# Altium PCB Board.PcbDoc (part 14 of 15)
Units mil, origin at the board's own origin, x right, y up, seen from the top; angles counter-clockwise.
Board outline 6379.64 x 4143.89 mil, 4 copper layers (Top Layer, GND, VCC, Bottom Layer); 316 components, 199 nets, 1077 pads, 596 vias.
Unrouted connection lines stored in the file: 268.
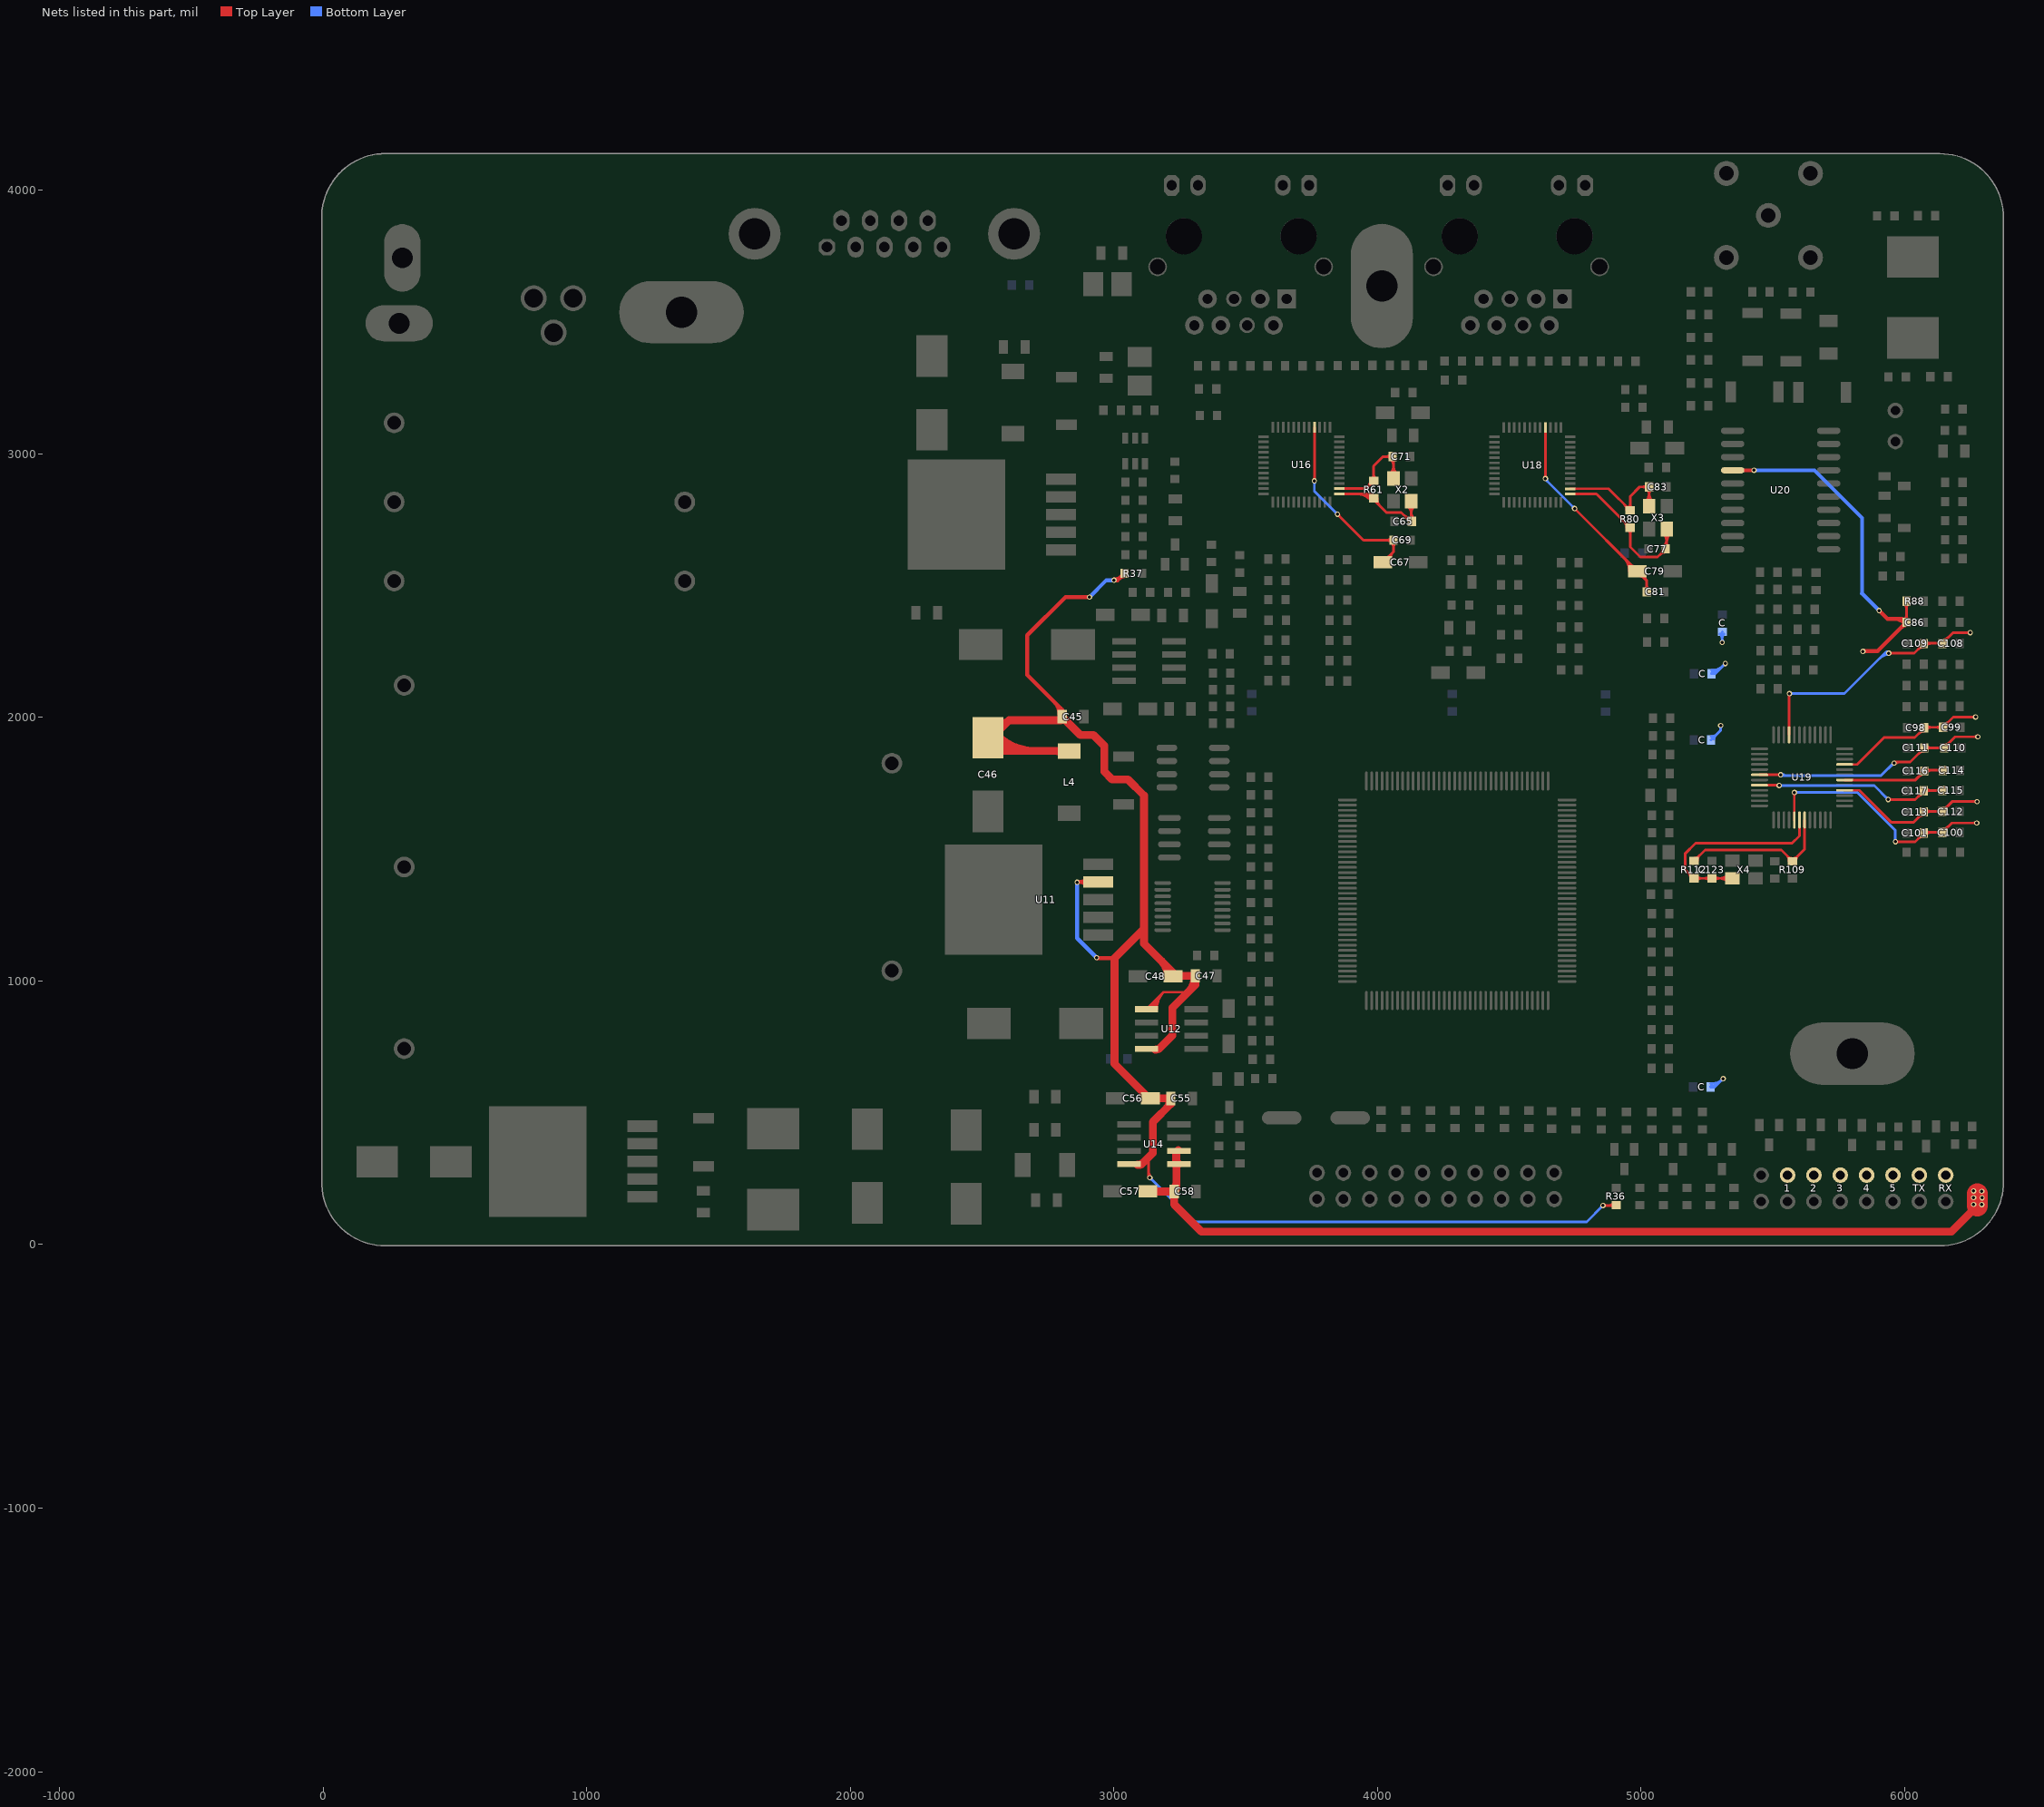
[diagram p15: the nets of this part, all layers, seen from the top]

## Via types
v1: diameter 20, hole 12, Top Layer to Bottom Layer, 590 vias
v2: diameter 30, hole 17, Top Layer to Bottom Layer, 6 vias

## Nets (pads, with @x,y where several pads share a name; then routed paths per layer and width w, separated by ;. In a path a pad name is that pad's centre, name@x,y a point inside that pad or via, vN(x,y) a via of type N, cw(c..) or ccw(c..) an arc to the next point about the centre after c; other vN are vias at no path point) (continued)
VDD5: C45.2 C46.2 C47.1 C48.2 C55.1 C56.2 L4.2 R36.2 R37.1 U11.4 U12.5 U12.8 U14.8 | length 10385.3
  Top Layer w10: U12.5@3123.62,892.45 3188.62,957.45 ; 3131.6,331.45 3131.6,258.45 v1(3136.6,253.45) ; 3274.1,950.95 3267.6,957.45 3188.62,957.45 ; v1(4855.6,148.45) 4904.6,148.45 R36.2@4905.6,149.45 ; U12.5@3122.93,891.46 cw(c3123.6,891.48) U12.5@3123.13,891.95 ; U12.5@3122.93,891.46 cw(c3123.6,891.48) U12.5@3123.13,891.95 ; U12.5@3122.93,891.46 cw(c3123.6,891.48) U12.5@3123.13,891.95 ; 3131.6,277.59 ccw(c3160.74,277.59) v1@3140.13,256.98 ; 3131.6,277.59 ccw(c3160.74,277.59) v1@3140.13,256.98 ; 3131.6,277.59 ccw(c3160.74,277.59) v1@3140.13,256.98 ; U12.5@3132.92,891.75 cw(c3155.4,892.43) 3139.5,908.33 ; U12.5@3132.92,891.75 cw(c3155.4,892.43) 3139.5,908.33 ; U12.5@3132.92,891.75 cw(c3155.4,892.43) 3139.5,908.33 ; U12.5@3142.92,892.05 cw(c3187.19,893.38) 3155.87,924.7 ; U12.5@3142.92,892.05 cw(c3187.19,893.38) 3155.87,924.7 ; U12.5@3142.92,892.05 cw(c3187.19,893.38) 3155.87,924.7 ; U12.5@3152.91,892.35 cw(c3218.99,894.33) 3172.25,941.07 ; U12.5@3152.91,892.35 cw(c3218.99,894.33) 3172.25,941.07 ; U12.5@3152.91,892.35 cw(c3218.99,894.33) 3172.25,941.07 ; U12.5@3162.91,892.65 cw(c3250.78,895.28) 3188.62,957.45 ; U12.5@3162.91,892.65 cw(c3250.78,895.28) 3188.62,957.45 ; U12.5@3162.91,892.65 cw(c3250.78,895.28) 3188.62,957.45 ; v1@4859.13,144.91 cw(c4867.67,136.38) 4867.67,148.45 ; v1@4859.13,144.91 cw(c4867.67,136.38) 4867.67,148.45 ; v1@4859.13,144.91 cw(c4867.67,136.38) 4867.67,148.45 ; v1@4859.13,151.98 ccw(c4867.67,160.52) 4867.67,148.45 ; v1@4859.13,151.98 ccw(c4867.67,160.52) 4867.67,148.45 ; v1@4859.13,151.98 ccw(c4867.67,160.52) 4867.67,148.45 ; 4875.27,148.45 ccw(c4875.27,177.81) R36.2@4896.03,157.05 ; 4875.27,148.45 ccw(c4875.27,177.81) R36.2@4896.03,157.05 ; 4875.27,148.45 ccw(c4875.27,177.81) R36.2@4896.03,157.05 ; 4880.1,148.45 cw(c4880.1,125.91) R36.2@4896.03,141.85 ; 4880.1,148.45 cw(c4880.1,125.91) R36.2@4896.03,141.85 ; 4880.1,148.45 cw(c4880.1,125.91) R36.2@4896.03,141.85
  Top Layer w15: C45.2@2803.92,2002.45 2803.92,2029.13 ; v1(2860.6,1374.45) 2861.39,1375.24 U11.4@2940.6,1375.24 ; v1@2909.6,2457.45 2908.6,2457.45 v1(2907.6,2456.45) 2816.6,2456.45 2671.6,2311.45 2671.6,2161.45 2803.92,2029.13 ; v1(2934.6,1088.45) 2936.6,1086.45 3002.6,1086.45 ; v1(3000.6,2520.45) 3014.6,2520.45 R37.1@3040.6,2546.45 ; 2803.92,2029.13 cw(c2791.73,2029.13) 2798.36,2018.89 ccw(c2791.73,2029.13) 2803.92,2029.13 ; 2803.92,2029.13 ccw(c2816.11,2029.13) 2809.48,2018.89 cw(c2816.11,2029.13) 2803.92,2029.13 ; 2871,1375.24 cw(c2871,1341.07) U11.4@2895.16,1365.23 ; 2871,1375.24 ccw(c2871,1409.41) U11.4@2895.16,1385.24 ; 2871,1375.24 cw(c2871,1341.07) U11.4@2895.16,1365.23 ; 2871,1375.24 ccw(c2871,1409.41) U11.4@2895.16,1385.24 ; 2871,1375.24 ccw(c2871,1409.41) U11.4@2895.16,1385.24 ; 2871,1375.24 cw(c2871,1341.07) U11.4@2895.16,1365.23 ; v1@2936.37,1090.22 ccw(c2945.46,1099.31) 2945.46,1086.45 ; v1@2936.37,1090.22 ccw(c2945.46,1099.31) 2945.46,1086.45 ; v1@2936.37,1090.22 ccw(c2945.46,1099.31) 2945.46,1086.45 ; v1@3000.6,2522.95 ccw(c3000.6,2562.78) R37.1@3028.77,2534.62 ; v1@3000.6,2522.95 ccw(c3000.6,2562.78) R37.1@3028.77,2534.62 ; v1@3000.6,2522.95 ccw(c3000.6,2562.78) R37.1@3028.77,2534.62 ; 3023.16,2529.01 cw(c3040.6,2511.57) R37.1@3040.6,2536.23 ; 3023.16,2529.01 cw(c3040.6,2511.57) R37.1@3040.6,2536.23 ; 3023.16,2529.01 cw(c3040.6,2511.57) R37.1@3040.6,2536.23 ; R37.1@3027.91,2533.76 ccw(c3017.19,2544.48) R37.1@3032.35,2544.48 ; R37.1@3027.91,2533.76 ccw(c3017.19,2544.48) R37.1@3032.35,2544.48 ; R37.1@3027.91,2533.76 ccw(c3017.19,2544.48) R37.1@3032.35,2544.48 ; 2773.18,2059.86 cw(c2723.64,2010.32) 2793.7,2010.32 ccw(c2723.64,2010.32) 2773.18,2059.86 ; 2798.79,2034.26 cw(c2774.86,2010.32) 2808.7,2010.32 ccw(c2774.86,2010.32) 2798.79,2034.26
  Top Layer w30: C45.2@2798.92,1989.45 2603.45,1989.45 ; C45.2@2803.92,2002.45 2872.92,1933.45 2922.6,1933.45 2963.6,1892.45 2963.6,1794.45 2993.6,1764.45 3053.6,1764.45 3114.6,1703.45 3114.6,1141.45 3224.54,1031.51 C48.2@3224.54,1017.45 3226.54,1019.45 C47.1@3308.6,1019.45 3308.6,985.45 3274.1,950.95 3221.6,898.45 3221.6,793.45 3171.6,743.45 ; L4.2@2847.6,1872.67 2584.53,1872.67 2535.6,1921.6 2603.45,1989.45 ; 3114.6,1198.45 3002.6,1086.45 3002.6,685.45 3133.6,554.45 C56.2@3138.54,554.45 C55.1@3215.6,554.45 3215.6,533.45 3147.6,465.45 3147.6,347.45 3131.6,331.45 3106.6,306.45 ; 3285.49,962.34 ccw(c3236.25,1011.57) C47.1@3305.88,1011.57 ; C46.2@2532.54,1912.85 ccw(c2629.55,2009.86) 2629.55,1872.67 ; C46.2@2532.54,1912.85 ccw(c2629.55,2009.86) 2629.55,1872.67 ; C46.2@2532.54,1912.85 ccw(c2629.55,2009.86) 2629.55,1872.67 ; C46.2@2543.77,1980.92 ccw(c2567.92,2024.97) 2603.45,1989.45 ; C46.2@2543.77,1980.92 ccw(c2567.92,2024.97) 2603.45,1989.45 ; C46.2@2543.77,1980.92 ccw(c2567.92,2024.97) 2603.45,1989.45 ; C46.2@2553.75,1934.07 ccw(c2701.97,2082.29) 2701.97,1872.67 ; C46.2@2553.75,1934.07 ccw(c2701.97,2082.29) 2701.97,1872.67 ; C46.2@2553.75,1934.07 ccw(c2701.97,2082.29) 2701.97,1872.67 ; 2781.75,1872.67 cw(c2781.75,1837.6) L4.2@2806.55,1862.4 ; 2781.75,1872.67 ccw(c2781.75,1907.74) L4.2@2806.55,1882.94 ; 2781.75,1872.67 cw(c2781.75,1837.6) L4.2@2806.55,1862.4 ; 2781.75,1872.67 ccw(c2781.75,1907.74) L4.2@2806.55,1882.94 ; 2781.75,1872.67 ccw(c2781.75,1907.74) L4.2@2806.55,1882.94 ; 2781.75,1872.67 cw(c2781.75,1837.6) L4.2@2806.55,1862.4 ; 2784.99,1989.45 ccw(c2784.99,2013.51) C45.2@2802,1996.5 ; 2784.99,1989.45 ccw(c2784.99,2013.51) C45.2@2802,1996.5 ; 2784.99,1989.45 ccw(c2784.99,2013.51) C45.2@2802,1996.5 ; C45.2@2803.92,1991.86 cw(c2803.92,1966.29) 2822,1984.37 ; C45.2@2803.92,1991.86 cw(c2803.92,1966.29) 2822,1984.37 ; C45.2@2803.92,1991.86 cw(c2803.92,1966.29) 2822,1984.37 ; U14.8@3089.05,302.44 ccw(c3094.63,318.42) 3106.6,306.45 ; U14.8@3089.05,302.44 ccw(c3094.63,318.42) 3106.6,306.45 ; U14.8@3089.05,302.44 ccw(c3094.63,318.42) 3106.6,306.45 ; U14.8@3090.1,302.26 ccw(c3090.1,331.97) 3111.11,310.96 ; U14.8@3090.1,302.26 ccw(c3090.1,331.97) 3111.11,310.96 ; U14.8@3090.1,302.26 ccw(c3090.1,331.97) 3111.11,310.96 ; 3107.15,580.9 cw(c3080.69,554.45) C56.2@3118.1,554.45 ; 3107.15,580.9 cw(c3080.69,554.45) C56.2@3118.1,554.45 ; 3107.15,580.9 cw(c3080.69,554.45) C56.2@3118.1,554.45 ; U12.8@3156.1,739.26 ccw(c3156.1,766.56) 3175.4,747.26 ; U12.8@3156.1,739.26 ccw(c3156.1,766.56) 3175.4,747.26 ; U12.8@3156.1,739.26 ccw(c3156.1,766.56) 3175.4,747.26 ; 3179.71,1076.34 cw(c3120.82,1017.45) C48.2@3204.1,1017.45 ; 3179.71,1076.34 cw(c3120.82,1017.45) C48.2@3204.1,1017.45 ; 3179.71,1076.34 cw(c3120.82,1017.45) C48.2@3204.1,1017.45 ; 3201.68,519.53 ccw(c3174.63,546.57) C55.1@3212.88,546.57 ; 3201.68,519.53 ccw(c3174.63,546.57) C55.1@3212.88,546.57 ; 3201.68,519.53 ccw(c3174.63,546.57) C55.1@3212.88,546.57 ; C48.2@3242.44,1011.35 cw(c3261.99,991.8) 3261.99,1019.45 ; C48.2@3242.44,1011.35 cw(c3261.99,991.8) 3261.99,1019.45 ; C48.2@3242.44,1011.35 cw(c3261.99,991.8) 3261.99,1019.45 ; 3287.16,964.01 ccw(c3241.88,1009.3) 3305.88,1011.48 cw(c3241.88,1009.3) 3287.16,964.01
  Bottom Layer w10: v1(3136.6,253.45) 3303.6,86.45 4793.6,86.45 v1(4855.6,148.45) ; v1@3136.6,248.45 cw(c3136.6,236.38) 3145.13,244.91 ; v1@3136.6,248.45 cw(c3136.6,236.38) 3145.13,244.91 ; v1@3136.6,248.45 cw(c3136.6,236.38) 3145.13,244.91 ; v1@3141.6,253.45 ccw(c3153.67,253.45) 3145.13,244.91 ; v1@3141.6,253.45 ccw(c3153.67,253.45) 3145.13,244.91 ; v1@3141.6,253.45 ccw(c3153.67,253.45) 3145.13,244.91 ; 4847.06,139.91 cw(c4855.6,131.38) v1@4855.6,143.45 ; 4847.06,139.91 ccw(c4838.53,148.45) v1@4850.6,148.45 ; 4847.06,139.91 cw(c4855.6,131.38) v1@4855.6,143.45 ; 4847.06,139.91 ccw(c4838.53,148.45) v1@4850.6,148.45 ; 4847.06,139.91 ccw(c4838.53,148.45) v1@4850.6,148.45 ; 4847.06,139.91 cw(c4855.6,131.38) v1@4855.6,143.45
  Bottom Layer w15: v1(2860.6,1374.45) 2860.6,1162.45 v1(2934.6,1088.45) ; v1(2907.6,2456.45) 2971.6,2520.45 v1(3000.6,2520.45)
VDD-3.3: 1.1 2.1 3.1 4.1 5.1 C57.2 C58.1 C86.2 C98.2 C99.2 C100.2 C101.2 C108.2 C109.2 C110.2 C111.2 C112.2 C113.2 C.1@5263.6,597.45 C.1@5265.6,1914.45 C.1@5266.6,2165.45 C.2@5308.6,2324.45 R88.2 RX.1 TX.1 U14.1 U14.2 U19.9 U19.18 U19.29 U19.40 U19.45 U20.7 | length 13828.5
  Top Layer w10: U19.18@5449.18,1782.29 5449.34,1782.45 v1(5529.6,1782.45) ; U19.9@5561.39,1933.87 5561.39,2089.24 v1(5562.6,2090.45) ; U19.29@5581.07,1611.03 5581.07,1714.92 v1(5581.6,1715.45) ; U19.40@5772.02,1723.24 5827.81,1723.24 5949.6,1601.45 6032.74,1601.45 C113.2@6072.6,1641.31 6074.47,1643.18 C112.2@6142.6,1643.18 6179.87,1680.45 v1(6274.6,1680.45) ; U19.45@5772.02,1821.66 5772.23,1821.45 5819.6,1821.45 5921.6,1923.45 6037.6,1923.45 C98.2@6074.6,1960.45 6076.6,1962.45 C99.2@6145.6,1962.45 6184.6,2001.45 v1(6268.6,2001.45) ; v1(5939.6,2243.45) 6035.87,2243.45 6073.42,2280.99 C108.2@6142.6,2280.99 6183.05,2321.45 v1(6248.6,2321.45) ; v1(5959.6,1826.45) 5959.6,1828.45 5961.6,1830.45 6020.6,1830.45 C111.2@6074.6,1884.45 C110.2@6149.6,1884.45 6191.6,1926.45 v1(6277.6,1926.45) ; v1(5964.6,1528.45) 6039.6,1528.45 C101.2@6072.6,1561.45 6074.6,1563.45 C100.2@6142.6,1563.45 6178.6,1599.45 v1(6273.6,1599.45) ; C86.2@6006.45,2360.59 R88.2@6006.45,2440.45 ; 5517.53,1782.45 cw(c5517.53,1770.38) v1@5526.06,1778.91 ; 5517.53,1782.45 ccw(c5517.53,1794.52) v1@5526.06,1785.98 ; 5517.53,1782.45 cw(c5517.53,1770.38) v1@5526.06,1778.91 ; 5517.53,1782.45 ccw(c5517.53,1794.52) v1@5526.06,1785.98 ; 5517.53,1782.45 ccw(c5517.53,1794.52) v1@5526.06,1785.98 ; 5517.53,1782.45 cw(c5517.53,1770.38) v1@5526.06,1778.91 ; 5561.39,2075.45 cw(c5577.6,2075.45) v1@5566.13,2086.91 ; 5561.39,2075.45 cw(c5577.6,2075.45) v1@5566.13,2086.91 ; 5561.39,2075.45 cw(c5577.6,2075.45) v1@5566.13,2086.91 ; v1@5578.06,1711.91 cw(c5570.8,1704.65) 5581.07,1704.65 ; v1@5578.06,1711.91 cw(c5570.8,1704.65) 5581.07,1704.65 ; v1@5578.06,1711.91 cw(c5570.8,1704.65) 5581.07,1704.65 ; 5581.07,1702.1 cw(c5594.94,1702.1) v1@5585.13,1711.91 ; 5581.07,1702.1 cw(c5594.94,1702.1) v1@5585.13,1711.91 ; 5581.07,1702.1 cw(c5594.94,1702.1) v1@5585.13,1711.91 ; v1@5943.13,2239.91 cw(c5951.67,2231.38) 5951.67,2243.45 ; v1@5943.13,2239.91 cw(c5951.67,2231.38) 5951.67,2243.45 ; v1@5943.13,2239.91 cw(c5951.67,2231.38) 5951.67,2243.45 ; v1@5943.13,2246.98 ccw(c5951.67,2255.52) 5951.67,2243.45 ; v1@5943.13,2246.98 ccw(c5951.67,2255.52) 5951.67,2243.45 ; v1@5943.13,2246.98 ccw(c5951.67,2255.52) 5951.67,2243.45 ; v1@5963.13,1822.91 cw(c5981.33,1804.72) 5981.33,1830.45 ; v1@5963.13,1822.91 cw(c5981.33,1804.72) 5981.33,1830.45 ; v1@5963.13,1822.91 cw(c5981.33,1804.72) 5981.33,1830.45 ; v1@5968.13,1524.91 cw(c5976.67,1516.38) 5976.67,1528.45 ; v1@5968.13,1524.91 cw(c5976.67,1516.38) 5976.67,1528.45 ; v1@5968.13,1524.91 cw(c5976.67,1516.38) 5976.67,1528.45 ; v1@5968.13,1531.98 ccw(c5976.67,1540.52) 5976.67,1528.45 ; v1@5968.13,1531.98 ccw(c5976.67,1540.52) 5976.67,1528.45 ; v1@5968.13,1531.98 ccw(c5976.67,1540.52) 5976.67,1528.45 ; C86.2@5998.85,2370.16 ccw(c5980.5,2388.51) 6006.45,2388.51 ; C86.2@5998.85,2370.16 ccw(c5980.5,2388.51) 6006.45,2388.51 ; C86.2@5998.85,2370.16 ccw(c5980.5,2388.51) 6006.45,2388.51 ; R88.2@5998.85,2430.88 cw(c5980.5,2412.53) 6006.45,2412.53 ; R88.2@5998.85,2430.88 cw(c5980.5,2412.53) 6006.45,2412.53 ; R88.2@5998.85,2430.88 cw(c5980.5,2412.53) 6006.45,2412.53 ; 6006.45,2388.51 ccw(c6032.4,2388.51) C86.2@6014.05,2370.16 ; 6006.45,2388.51 ccw(c6032.4,2388.51) C86.2@6014.05,2370.16 ; 6006.45,2388.51 ccw(c6032.4,2388.51) C86.2@6014.05,2370.16 ; 6006.45,2412.53 cw(c6032.4,2412.53) R88.2@6014.05,2430.88 ; 6006.45,2412.53 cw(c6032.4,2412.53) R88.2@6014.05,2430.88 ; 6006.45,2412.53 cw(c6032.4,2412.53) R88.2@6014.05,2430.88 ; 6050.89,1539.74 cw(c6072.6,1518.03) C101.2@6072.6,1548.73 ; 6050.89,1539.74 cw(c6072.6,1518.03) C101.2@6072.6,1548.73 ; 6050.89,1539.74 cw(c6072.6,1518.03) C101.2@6072.6,1548.73 ; 6050.89,1619.6 cw(c6072.6,1597.89) C113.2@6072.6,1628.59 ; 6050.89,1619.6 cw(c6072.6,1597.89) C113.2@6072.6,1628.59 ; 6050.89,1619.6 cw(c6072.6,1597.89) C113.2@6072.6,1628.59 ; 6050.89,2258.46 cw(c6072.6,2236.76) C109.2@6072.6,2267.46 ; 6050.89,2258.46 cw(c6072.6,2236.76) C109.2@6072.6,2267.46 ; 6050.89,2258.46 cw(c6072.6,2236.76) C109.2@6072.6,2267.46 ; 6052.89,1862.74 cw(c6074.6,1841.03) C111.2@6074.6,1871.73 ; 6052.89,1862.74 cw(c6074.6,1841.03) C111.2@6074.6,1871.73 ; 6052.89,1862.74 cw(c6074.6,1841.03) C111.2@6074.6,1871.73 ; 6052.89,1938.74 cw(c6074.6,1917.03) C98.2@6074.6,1947.73 ; 6052.89,1938.74 cw(c6074.6,1917.03) C98.2@6074.6,1947.73 ; 6052.89,1938.74 cw(c6074.6,1917.03) C98.2@6074.6,1947.73 ; 6055.64,1544.49 ccw(c6040.65,1559.48) C101.2@6061.85,1559.48 ; 6055.64,1544.49 ccw(c6040.65,1559.48) C101.2@6061.85,1559.48 ; 6055.64,1544.49 ccw(c6040.65,1559.48) C101.2@6061.85,1559.48 ; 6055.64,1624.35 ccw(c6040.65,1639.34) C113.2@6061.85,1639.34 ; 6055.64,1624.35 ccw(c6040.65,1639.34) C113.2@6061.85,1639.34 ; 6055.64,1624.35 ccw(c6040.65,1639.34) C113.2@6061.85,1639.34 ; 6055.64,2263.22 ccw(c6040.65,2278.2) C109.2@6061.85,2278.2 ; 6055.64,2263.22 ccw(c6040.65,2278.2) C109.2@6061.85,2278.2 ; 6055.64,2263.22 ccw(c6040.65,2278.2) C109.2@6061.85,2278.2 ; 6057.64,1867.49 ccw(c6042.65,1882.48) C111.2@6063.85,1882.48 ; 6057.64,1867.49 ccw(c6042.65,1882.48) C111.2@6063.85,1882.48 ; 6057.64,1867.49 ccw(c6042.65,1882.48) C111.2@6063.85,1882.48 ; 6057.64,1943.49 ccw(c6042.65,1958.48) C98.2@6063.85,1958.48 ; 6057.64,1943.49 ccw(c6042.65,1958.48) C98.2@6063.85,1958.48 ; 6057.64,1943.49 ccw(c6042.65,1958.48) C98.2@6063.85,1958.48 ; C101.2@6080.2,1555.82 cw(c6098.62,1537.39) 6098.62,1563.45 ; C101.2@6080.2,1555.82 cw(c6098.62,1537.39) 6098.62,1563.45 ; C101.2@6080.2,1555.82 cw(c6098.62,1537.39) 6098.62,1563.45 ; C101.2@6080.2,1571.02 ccw(c6098.47,1589.29) 6098.47,1563.45 ; C101.2@6080.2,1571.02 ccw(c6098.47,1589.29) 6098.47,1563.45 ; C101.2@6080.2,1571.02 ccw(c6098.47,1589.29) 6098.47,1563.45 ; C113.2@6080.2,1635.68 cw(c6098.31,1617.57) 6098.31,1643.18 ; C113.2@6080.2,1635.68 cw(c6098.31,1617.57) 6098.31,1643.18 ; C113.2@6080.2,1635.68 cw(c6098.31,1617.57) 6098.31,1643.18 ; C113.2@6080.2,1650.88 ccw(c6098.79,1669.46) 6098.79,1643.18 ; C113.2@6080.2,1650.88 ccw(c6098.79,1669.46) 6098.79,1643.18 ; C113.2@6080.2,1650.88 ccw(c6098.79,1669.46) 6098.79,1643.18 ; C109.2@6080.2,2272.57 cw(c6100.53,2252.24) 6100.53,2280.99 ; C109.2@6080.2,2272.57 cw(c6100.53,2252.24) 6100.53,2280.99 ; C109.2@6080.2,2272.57 cw(c6100.53,2252.24) 6100.53,2280.99 ; C109.2@6080.2,2287.77 ccw(c6096.57,2304.14) 6096.57,2280.99 ; C109.2@6080.2,2287.77 ccw(c6096.57,2304.14) 6096.57,2280.99 ; C109.2@6080.2,2287.77 ccw(c6096.57,2304.14) 6096.57,2280.99 ; C111.2@6082.2,1876.85 cw(c6100.55,1858.5) 6100.55,1884.45 ; C111.2@6082.2,1876.85 cw(c6100.55,1858.5) 6100.55,1884.45 ; C111.2@6082.2,1876.85 cw(c6100.55,1858.5) 6100.55,1884.45 ; C111.2@6082.2,1892.05 ccw(c6100.55,1910.4) 6100.55,1884.45 ; C111.2@6082.2,1892.05 ccw(c6100.55,1910.4) 6100.55,1884.45 ; C111.2@6082.2,1892.05 ccw(c6100.55,1910.4) 6100.55,1884.45 ; C98.2@6082.2,1954.82 cw(c6100.62,1936.39) 6100.62,1962.45 ; C98.2@6082.2,1954.82 cw(c6100.62,1936.39) 6100.62,1962.45 ; C98.2@6082.2,1954.82 cw(c6100.62,1936.39) 6100.62,1962.45 ; C98.2@6082.2,1970.02 ccw(c6100.47,1988.29) 6100.47,1962.45 ; C98.2@6082.2,1970.02 ccw(c6100.47,1988.29) 6100.47,1962.45 ; C98.2@6082.2,1970.02 ccw(c6100.47,1988.29) 6100.47,1962.45 ; 6116.65,1563.45 cw(c6116.65,1537.5) C100.2@6135,1555.85 ; 6116.65,1563.45 ccw(c6116.65,1589.4) C100.2@6135,1571.05 ; 6116.65,1563.45 cw(c6116.65,1537.5) C100.2@6135,1555.85 ; 6116.65,1563.45 ccw(c6116.65,1589.4) C100.2@6135,1571.05 ; 6116.65,1563.45 ccw(c6116.65,1589.4) C100.2@6135,1571.05 ; 6116.65,1563.45 cw(c6116.65,1537.5) C100.2@6135,1555.85 ; 6116.65,1643.18 cw(c6116.65,1617.23) C112.2@6135,1635.58 ; 6116.65,1643.18 ccw(c6116.65,1669.12) C112.2@6135,1650.78 ; 6116.65,1643.18 cw(c6116.65,1617.23) C112.2@6135,1635.58 ; 6116.65,1643.18 ccw(c6116.65,1669.12) C112.2@6135,1650.78 ; 6116.65,1643.18 ccw(c6116.65,1669.12) C112.2@6135,1650.78 ; 6116.65,1643.18 cw(c6116.65,1617.23) C112.2@6135,1635.58 ; 6116.65,2280.99 cw(c6116.65,2255.04) C108.2@6135,2273.39 ; 6116.65,2280.99 ccw(c6116.65,2306.94) C108.2@6135,2288.59 ; 6116.65,2280.99 cw(c6116.65,2255.04) C108.2@6135,2273.39 ; 6116.65,2280.99 ccw(c6116.65,2306.94) C108.2@6135,2288.59 ; 6116.65,2280.99 ccw(c6116.65,2306.94) C108.2@6135,2288.59 ; 6116.65,2280.99 cw(c6116.65,2255.04) C108.2@6135,2273.39 ; 6119.65,1962.45 cw(c6119.65,1936.5) C99.2@6138,1954.85 ; 6119.65,1962.45 ccw(c6119.65,1988.4) C99.2@6138,1970.05 ; 6119.65,1962.45 cw(c6119.65,1936.5) C99.2@6138,1954.85 ; 6119.65,1962.45 ccw(c6119.65,1988.4) C99.2@6138,1970.05 ; 6119.65,1962.45 ccw(c6119.65,1988.4) C99.2@6138,1970.05 ; 6119.65,1962.45 cw(c6119.65,1936.5) C99.2@6138,1954.85 ; 6123.65,1884.45 cw(c6123.65,1858.5) C110.2@6142,1876.85 ; 6123.65,1884.45 ccw(c6123.65,1910.4) C110.2@6142,1892.05 ; 6123.65,1884.45 cw(c6123.65,1858.5) C110.2@6142,1876.85 ; 6123.65,1884.45 ccw(c6123.65,1910.4) C110.2@6142,1892.05 ; 6123.65,1884.45 ccw(c6123.65,1910.4) C110.2@6142,1892.05 ; 6123.65,1884.45 cw(c6123.65,1858.5) C110.2@6142,1876.85 ; C100.2@6142.6,1576.17 ccw(c6142.6,1606.87) 6164.31,1585.16 ; C100.2@6142.6,1576.17 ccw(c6142.6,1606.87) 6164.31,1585.16 ; C100.2@6142.6,1576.17 ccw(c6142.6,1606.87) 6164.31,1585.16 ; C112.2@6142.6,1655.89 ccw(c6142.6,1686.59) 6164.31,1664.88 ; C112.2@6142.6,1655.89 ccw(c6142.6,1686.59) 6164.31,1664.88 ; C112.2@6142.6,1655.89 ccw(c6142.6,1686.59) 6164.31,1664.88 ; C108.2@6142.6,2293.71 ccw(c6142.6,2324.41) 6164.31,2302.7 ; C108.2@6142.6,2293.71 ccw(c6142.6,2324.41) 6164.31,2302.7 ; C108.2@6142.6,2293.71 ccw(c6142.6,2324.41) 6164.31,2302.7 ; C99.2@6145.6,1975.17 ccw(c6145.6,2005.87) 6167.31,1984.16 ; C99.2@6145.6,1975.17 ccw(c6145.6,2005.87) 6167.31,1984.16 ; C99.2@6145.6,1975.17 ccw(c6145.6,2005.87) 6167.31,1984.16 ; C110.2@6149.6,1897.17 ccw(c6149.6,1927.87) 6171.31,1906.16 ; C110.2@6149.6,1897.17 ccw(c6149.6,1927.87) 6171.31,1906.16 ; C110.2@6149.6,1897.17 ccw(c6149.6,1927.87) 6171.31,1906.16 ; C100.2@6153.35,1565.42 cw(c6174.54,1565.42) 6159.55,1580.4 ; C100.2@6153.35,1565.42 cw(c6174.54,1565.42) 6159.55,1580.4 ; C100.2@6153.35,1565.42 cw(c6174.54,1565.42) 6159.55,1580.4 ; C112.2@6153.35,1645.14 cw(c6174.54,1645.14) 6159.55,1660.13 ; C112.2@6153.35,1645.14 cw(c6174.54,1645.14) 6159.55,1660.13 ; C112.2@6153.35,1645.14 cw(c6174.54,1645.14) 6159.55,1660.13 ; C108.2@6153.35,2282.96 cw(c6174.54,2282.96) 6159.55,2297.95 ; C108.2@6153.35,2282.96 cw(c6174.54,2282.96) 6159.55,2297.95 ; C108.2@6153.35,2282.96 cw(c6174.54,2282.96) 6159.55,2297.95 ; C99.2@6156.35,1964.42 cw(c6177.54,1964.42) 6162.55,1979.4 ; C99.2@6156.35,1964.42 cw(c6177.54,1964.42) 6162.55,1979.4 ; C99.2@6156.35,1964.42 cw(c6177.54,1964.42) 6162.55,1979.4 ; C110.2@6160.35,1886.42 cw(c6181.54,1886.42) 6166.55,1901.4 ; C110.2@6160.35,1886.42 cw(c6181.54,1886.42) 6166.55,1901.4 ; C110.2@6160.35,1886.42 cw(c6181.54,1886.42) 6166.55,1901.4 ; 6236.53,2321.45 cw(c6236.53,2309.38) v1@6245.06,2317.91 ; 6236.53,2321.45 ccw(c6236.53,2333.52) v1@6245.06,2324.98 ; 6236.53,2321.45 cw(c6236.53,2309.38) v1@6245.06,2317.91 ; 6236.53,2321.45 ccw(c6236.53,2333.52) v1@6245.06,2324.98 ; 6236.53,2321.45 ccw(c6236.53,2333.52) v1@6245.06,2324.98 ; 6236.53,2321.45 cw(c6236.53,2309.38) v1@6245.06,2317.91 ; 6256.53,2001.45 cw(c6256.53,1989.38) v1@6265.06,1997.91 ; 6256.53,2001.45 ccw(c6256.53,2013.52) v1@6265.06,2004.98 ; 6256.53,2001.45 cw(c6256.53,1989.38) v1@6265.06,1997.91 ; 6256.53,2001.45 ccw(c6256.53,2013.52) v1@6265.06,2004.98 ; 6256.53,2001.45 ccw(c6256.53,2013.52) v1@6265.06,2004.98 ; 6256.53,2001.45 cw(c6256.53,1989.38) v1@6265.06,1997.91 ; 6261.53,1599.45 cw(c6261.53,1587.38) v1@6270.06,1595.91 ; 6261.53,1599.45 ccw(c6261.53,1611.52) v1@6270.06,1602.98 ; 6261.53,1599.45 cw(c6261.53,1587.38) v1@6270.06,1595.91 ; 6261.53,1599.45 ccw(c6261.53,1611.52) v1@6270.06,1602.98 ; 6261.53,1599.45 ccw(c6261.53,1611.52) v1@6270.06,1602.98 ; 6261.53,1599.45 cw(c6261.53,1587.38) v1@6270.06,1595.91 ; 6262.53,1680.45 cw(c6262.53,1668.38) v1@6271.06,1676.91 ; 6262.53,1680.45 ccw(c6262.53,1692.52) v1@6271.06,1683.98 ; 6262.53,1680.45 cw(c6262.53,1668.38) v1@6271.06,1676.91 ; 6262.53,1680.45 ccw(c6262.53,1692.52) v1@6271.06,1683.98 ; 6262.53,1680.45 ccw(c6262.53,1692.52) v1@6271.06,1683.98 ; 6262.53,1680.45 cw(c6262.53,1668.38) v1@6271.06,1676.91 ; 6265.53,1926.45 cw(c6265.53,1914.38) v1@6274.06,1922.91 ; 6265.53,1926.45 ccw(c6265.53,1938.52) v1@6274.06,1929.98 ; 6265.53,1926.45 cw(c6265.53,1914.38) v1@6274.06,1922.91 ; 6265.53,1926.45 ccw(c6265.53,1938.52) v1@6274.06,1929.98 ; 6265.53,1926.45 ccw(c6265.53,1938.52) v1@6274.06,1929.98 ; 6265.53,1926.45 cw(c6265.53,1914.38) v1@6274.06,1922.91